# Allegro board pc051b_toplevel_177.brd (continued)
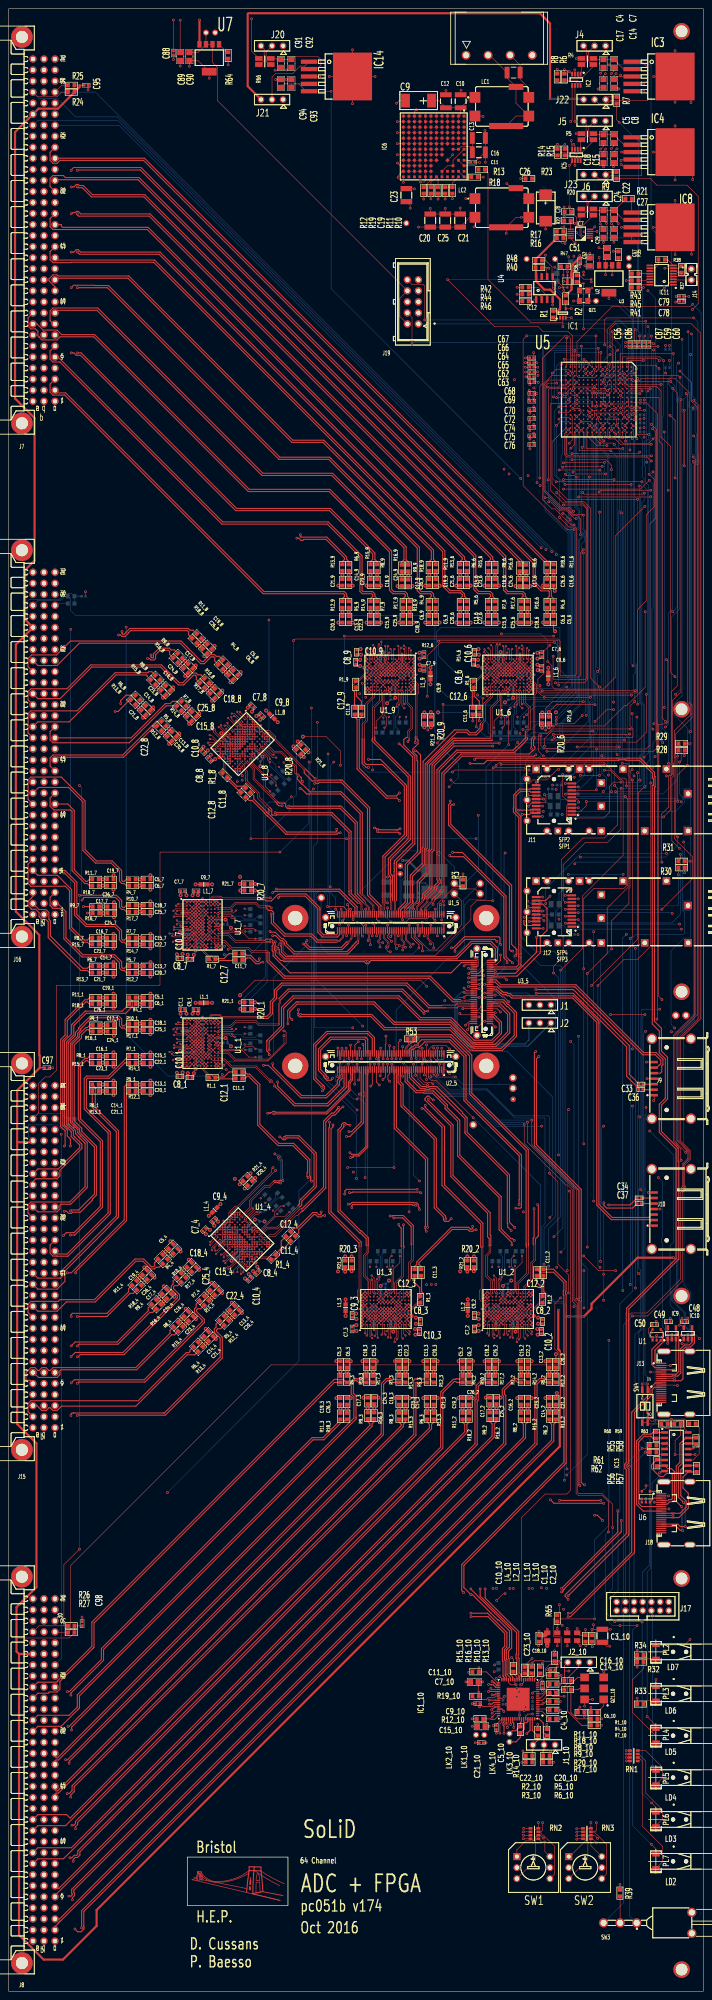
[diagram p0: board, top side]
## Routing (per net, layer and track width the routed paths; a pad name or vN(x,y) marks a point on that pad's centre or on a via; arc(x,y) is an arc through that point) (continued)
GPIO<1>: length 217.2
  TOP w0.13: v1(139.95,360.27) 139.95,361.85 139.55,362.25 138.3,362.25 138,361.95 138,360.94 U5.F14 ; v1(124.17,305.96) 125.14,304.98 125.14,300.29 125.81,299.62 136.97,299.62 139.7,302.35 139.7,334.85 v1(146.55,341.7)
  L4 w0.13: v1(113.49,312.36) 25.74,312.36 25.5,312.59 6.9,312.59 J16.A26 ; v1(139.95,360.27) 140.42,359.8 142.91,359.8 146.35,356.36 146.35,345.5 146.9,344.96 146.9,342.05 v1(146.55,341.7)
  BOTTOM w0.13: v1(113.49,312.36) 122.57,312.36 124.17,310.76 v1(124.17,305.96)
GPIO<2>: length 316.5
  TOP w0.13: U5.G14 136.9,360.25 v1(136.85,360.25) ; v1(132.46,235.29) 132.46,251.44 134.77,253.75 141.7,253.75 142.35,254.4 142.5,254.4 142.6,254.5 142.6,274.35 v1(142.02,274.92)
  L4 w0.13: J15.A26 6.67,194.25 10.86,194.25 11.61,195 v1(132.46,195)
  BOTTOM w0.13: v1(132.46,235.29) v1(132.46,195) ; v1(142.02,274.92) 131.03,274.92 130.69,275.27 130.69,275.77 134.75,279.83 134.75,288.99 135.6,289.84 135.6,302.73 136.21,303.34 136.21,303.96 135.44,304.72 135.44,357.76 135.97,358.28 135.97,359.36 v1(136.85,360.25)
GPIO<3>: length 377.9
  TOP w0.13: v1(135.85,362.2) 135.85,361.3 U5.H14 ; v1(126.64,281.14) 126.34,281.14 125.17,279.97 125.17,279.97 124.56,279.36 124.56,279.36 123.95,278.75 120.7,278.75 119.83,277.88 102.72,277.88 v1(101.85,278.75)
  L4 w0.13: v1(36.55,114.75) 20.95,99.15 20.95,83.65 13.46,76.16 6.67,76.16 J8.A26 ; v1(70.2,276.66) 99.77,276.66 v1(101.85,278.75)
  BOTTOM w0.13: v1(70.2,276.66) 69.8,276.26 69.8,187.14 66.87,184.21 66.87,145.07 v1(36.55,114.75) ; v1(135.85,362.2) 135.4,361.75 135.4,358.87 134.73,358.2 134.73,297.63 133.79,296.69 133.79,288.29 v1(126.64,281.14)
GPIO<4>: length 302.2
  TOP w0.13: U5.B8 142.8,366.35 142.8,364.75 143.3,364.25 v1(144.1,364.25)
  TOP w0.15: v1(152.3,362.65) 153.5,361.45 v1(153.5,348.21)
  L3 w0.15: v1(153.5,348.21) 153.35,348.36 134.39,348.36 133.93,347.89 128.47,347.89 128.01,348.36 123.22,348.36 122.56,347.69 120.71,347.69 v1(119.65,348.75)
  L4 w0.13: v1(122.65,332.15) 122.65,332.13 123.54,331.24
  L4 w0.15: 123.54,331.24 126.7,328.08 126.7,303.25 127.6,302.35 128.95,302.35 129.65,303.05 129.65,334.55 117.2,347 117.2,348.7 117.25,348.75 v1(119.65,348.75) ; v1(152.3,362.65) 145.7,362.65 v1(144.1,364.25)
  BOTTOM w0.13: J7.C26 25.42,429.38 v1(122.65,332.15)
GPIO<5>: length 218
  TOP w0.13: v1(122.4,300.47) 122.4,298.96 122.6,298.76 144.64,298.76 144.84,298.96 144.84,317.95 146.85,319.96 146.85,339.75 148.66,341.56 148.66,347.94 v1(147.51,349.08) ; U5.F15 138,359.35 138,357.41 138.2,357.21 139.68,357.21 140.95,355.94 147.98,355.94 v1(148.01,355.97)
  L4 w0.13: v1(122.4,300.47) 122.45,300.52 122.45,309.4 120.57,311.28 J16.C26 ; v1(148.01,355.97) 147.51,355.48 v1(147.51,349.08)
GPIO<6>: length 298.8
  TOP w0.13: v1(139.5,355.95) 139.2,356.25 136.89,356.25 135.99,357.16 135.99,359.34 U5.H15 ; v1(125.5,234.32) 125.5,235.85 127.7,238.05 127.7,242.71 127.31,243.1 127.31,260.41 132.27,265.38 137.23,265.38 140.28,268.42 140.28,276.75 v1(139.57,277.46)
  L4 w0.13: v1(126.64,192.45) 125.2,193.9 11.39,193.9 J15.C26
  BOTTOM w0.13: v1(125.5,234.32) 126.64,233.18 v1(126.64,192.45) ; v1(139.5,355.95) 139.5,355.8 140.65,354.66 140.65,340.77 140.4,340.53 140.4,339.9 140.5,339.8 140.5,286.88 140.17,286.54 140.17,286.13 140.8,285.5 140.8,284.25 139.57,283.02 v1(139.57,277.46)
GPIO<7>: length 464.4
  TOP w0.13: v1(140.95,364.3) 141.95,364.3 U5.B10
  L4 w0.13: v1(153.4,221.65) 153.52,221.65 153.65,221.52 153.65,202 148.85,197.2 v1(12.1,197.2) ; v1(140.95,367.23) 142.53,365.65 156.21,365.65 v1(157.61,364.26)
  BOTTOM w0.13: v1(12.1,197.2) 12.1,76.51 J8.C26 ; v1(153.4,221.65) 152.56,222.49 152.56,239.38 155.53,242.35 156.92,242.35 157.05,242.48 157.05,248.6 156.92,248.73 155.53,248.73 155.4,248.86 155.4,250.8 155.53,250.93 156.92,250.93 157.05,251.06 157.05,259.45 157.45,259.84 157.45,260.26 157.05,260.65 157.05,265.77 156.92,265.9 155.53,265.9 155.4,266.03 155.4,267.97 155.53,268.1 156.92,268.1 157.05,268.23 157.05,274.35 156.92,274.48 155.53,274.48 155.4,274.61 155.4,276.55 155.53,276.68 156.92,276.68 157.05,276.81 157.05,286.65 157.3,286.89 157.3,287.31 157.05,287.55 157.05,289.15 156.55,289.64 156.55,290.06 157.05,290.55 157.05,294.04 157.13,294.12 157.13,295.88 157.05,295.96 157.05,357.58 157.04,357.59 157.04,358.21 157.05,358.22 157.05,363.7 v1(157.61,364.26) ; v1(140.95,364.3) v1(140.95,367.23)
HDMI_PGOOD: length 312.6
  TOP w0.13: 156.5,124.78 157.5,124.78 v1(157.73,125.02) ; v1(140.9,368.25) U5.C7 ; v1(157.8,385.05) 137.69,385.05 137.3,384.67 v1(137.3,378.86)
  L4 w0.13: v1(157.73,125.02) 156.15,126.6 156.15,131.69 156.02,131.82 155.92,131.82 155.15,132.59 155.15,149 v1(155.1,149.05)
  BOTTOM w0.13: v1(140.9,368.25) 139.81,369.34 137.15,369.34 136.45,370.04 136.45,370.46 137.25,371.26 138.36,371.26 139,371.9 139,377.17 v1(137.3,378.86) ; v1(157.8,385.05) 158.74,384.11 158.74,353.76 158.92,353.58 158.92,353.17 158.92,352.59 158.97,352.5 158.97,351.52 158.74,351.29 158.74,223.54 154.15,218.95 154.15,162.16 152.87,160.88 152.87,159.12 155.9,156.08 155.9,153.03 157.36,151.57 157.36,150.16 156.3,149.1 155.15,149.1 v1(155.1,149.05)
HDMI_PGOOD_N: length 30.6
  TOP w0.25: v1(155.25,106) 155.15,106.1 154.65,106.1 153.75,107 J18.16 ; R58.1 158.22,127.33 IC13.15 156,127.33 155.26,126.59 155.17,126.59 154.6,126.02 154.6,121.7 153.75,120.85 153.75,113.49 153.8,113.44 153.8,112.7 v1(155,111.5)
  BOTTOM w0.25: v1(155,111.5) 155.1,111.4 155.1,106.15 v1(155.25,106)
HDMI_PGOOD_P: length 29
  TOP w0.25: J18.15 154.15,107.5 154.7,106.95 v1(155.85,106.95) ; v1(155.45,112.5) 154.25,113.7 154.25,120.6 155.1,121.45 155.1,125.81 155.34,126.06 IC13.14 158.15,126.06 R58.2
  BOTTOM w0.25: v1(155.45,112.5) 155.85,112.1 v1(155.85,106.95)
HDMI_TCK_N: length 14.8
  TOP w0.25: J18.6 150.42,112.11 151.74,112.11 152.28,112.65 153.1,112.65 153.35,112.9 153.35,119.57 152.66,120.26 151.82,120.26 IC13.7 149.43,120.97 R56.1
HDMI_TCK_P: length 18.7
  TOP w0.25: IC13.6 149.41,122.25 R56.2 148.08,121.13 148.08,120.32 149.97,118.43 150.78,118.43 151.5,119.15 152.65,119.15 152.85,118.95 152.85,113.35 152.65,113.15 152.08,113.15 151.82,112.89 150.56,112.89 150.46,113 J18.4
HDMI_TDI_N: length 18.7
  TOP w0.25: J18.12 152.71,109 152.77,108.94 153.23,108.94 153.29,109 154.35,109 156.55,111.2 156.55,114.6 155.31,115.83 155.31,118.32 156.5,119.51 156.5,119.7 156.71,119.5 R57.1
HDMI_TDI_P: length 19.5
  TOP w0.25: J18.10 152.71,110 152.77,110.06 153.23,110.06 153.29,110 154.64,110 156.05,111.41 156.05,112.8 154.81,114.03 154.81,120.02 155.77,120.97 IC13.10 156.53,121 R57.2
HDMI_TDO_N: length 3
  TOP w0.25: J18.3 148.64,113.5 U6.3
HDMI_TDO_P: length 2.8
  TOP w0.25: J18.1 149.92,114.5 149.38,115.04 U6.4
HDMI_TMS_N: length 28.3
  TOP w0.25: IC13.1 149.25,128.59 R55.1 148.47,128.7 147.97,128.2 146.18,128.2 144.63,126.65 144.63,126.15 144.58,126.1 144.58,124.4 144.63,124.35 144.63,112.02 146.15,110.5 J18.9
HDMI_TMS_P: length 26.5
  TOP w0.25: J18.7 150.26,111.55 145.81,111.55 145.13,112.22 145.13,124.56 145.08,124.61 145.08,125.89 145.13,125.94 145.13,126.44 146.39,127.7 147.97,127.7 148.47,127.2 R55.2 149.28,127.33 IC13.2
I2C_SCL_FROM_FPGA: length 204
  TOP w0.13: v1(149.31,223.68) 149.46,223.84 149.46,362.94 146.75,365.65 143.5,365.65 U5.A9 ; U2_5.18 v1(96.25,217.79)
  L4 w0.13: v1(96.25,217.79) 141.29,217.79 147.18,223.68 v1(149.31,223.68)
I2C_SDA_FROM_FPGA: length 223.7
  TOP w0.13: v1(101.55,216.84) 100.79,217.6 97.64,217.6 96.75,216.7 U2_5.16 ; U5.A7 145.26,367.75 v1(145.4,367.61) ; v1(154.47,263.02) 152.75,264.75 152.75,279.26 153.12,279.63 153.12,282.62 152.87,282.87 152.87,296.99 154.85,298.97 v1(154.85,366.25)
  L4 w0.13: v1(145.4,367.61) 146.65,367.61 148.01,366.25 v1(154.85,366.25) ; v1(101.55,216.84) v1(143.68,216.84)
  BOTTOM w0.13: v1(143.68,216.84) 143.68,242.4 144.41,243.13 155.38,243.13 155.65,243.39 155.65,248.22 155.2,248.67 155.2,248.7 155.14,248.75 155.14,250.91 155.2,250.96 155.2,262.3 v1(154.47,263.02)
I2C_SDA_TO_FPGA: length 173.2
  TOP w0.13: U1_5.88 v1(78.75,248.98) ; v1(151.33,292.17) 150.52,292.97 150.52,355.96 149.82,356.66 149.82,366.54 149.62,366.75 U5.A8
  L4 w0.13: v1(151.33,292.17) 138.42,292.17 126.22,279.97 125.17,279.97 124.56,279.36 124.56,279.36 121.71,276.51 119.53,276.51 114.31,271.29 101.06,271.29 v1(78.75,248.98)
IP_ADDRESS_SELECT<0>: length 251.1
  TOP w0.13: v1(134.1,38.85) RN3.8 133.46,37.5 132.94,36.99 132.94,34.72 129.22,31 SW2.1 ; U2_5.14 v1(97.25,214.15)
  L4 w0.13: v1(134.1,38.85) 129.85,43.1 106.3,43.1 99.85,49.55 99.85,91.45 v1(128.6,120.2)
  BOTTOM w0.13: v1(128.6,120.2) 128.45,120.35 128.45,157.95 127.7,158.7 125.82,158.7 122.82,161.7 122.82,175.9 123.52,176.6 123.52,200.9 123.47,200.95 116.55,200.95 110.1,207.4 101.51,207.4 97.25,211.66 v1(97.25,214.15)
IP_ADDRESS_SELECT<1>: length 338.2
  TOP w0.13: v1(135.35,38.8) 135.35,37 135.05,36.7 RN3.7 134.15,36.65 134.9,36.65 137.75,33.8 137.75,27.05 SW2.2
  TOP w0.18: v1(73.45,249.6) 77.1,249.6 77.75,248.95 U1_5.92
  L4 w0.13: v1(128.55,118.8) 127.95,118.8 100.4,91.25 100.4,50 106.8,43.6 130.55,43.6 v1(135.35,38.8) ; v1(131.25,219.75) 123.05,219.75 122.2,218.9 105.6,218.9 102.4,222.1 v1(81.55,222.1)
  BOTTOM w0.13: v1(131.25,219.75) 131.25,168.3 133.25,166.3 133.25,123.5 v1(128.55,118.8) ; v1(81.55,222.1) 70.8,232.85 70.8,252.45 71.4,253.05 72.55,253.05 73.45,252.15 v1(73.45,249.6)
IP_ADDRESS_SELECT<2>: length 246.4
  TOP w0.13: U2_5.15 96.75,210.18 97.35,209.58 98.42,209.58 v1(107,201) ; SW2.4 133.41,30.33 133.41,35.77 133.54,35.9 RN3.6 134.95,35.9 v1(135.65,35.2)
  L4 w0.13: v1(128,117.6) 127.55,117.6 101.05,91.1 101.05,50 106.7,44.35 131.35,44.35 136.3,39.4 136.3,35.85 v1(135.65,35.2)
  BOTTOM w0.13: v1(128,117.6) 128,157.75 127.4,158.35 125.8,158.35 122.45,161.7 122.45,185.55 v1(107,201)
IP_ADDRESS_SELECT<3>: length 266.5
  TOP w0.13: v1(96.45,208.6) 95.55,208.6 94.25,209.9 U2_5.25 ; v1(135.4,34.15) 134.45,35.1 RN3.5 134.1,33.52 SW2.8
  L4 w0.13: v1(122.75,199.07) v1(137.03,199.07) ; v1(135.4,34.15) 136.95,35.7 136.95,39.8 131.7,45.05 107.15,45.05 101.56,50.64 101.56,90.81 127.35,116.6 128.1,116.6 137.03,125.53 v1(137.03,159)
  BOTTOM w0.13: v1(137.03,199.07) 136.6,198.65 136.6,181.24 137.03,180.82 v1(137.03,164.97) v1(137.03,159) ; v1(122.75,199.07) 122.63,198.95 112.4,198.95 105.45,205.9 99.15,205.9 v1(96.45,208.6)
IP_ADDRESS_SELECT<4>: length 244.4
  TOP w0.13: v1(122,38.85) RN2.8 121.6,37.5 121.1,37 121.1,34.97 120.73,34.61 119.11,34.61 117.05,32.55 SW1.1 ; v1(98.6,214.1) 97.75,214.95 U2_5.12 ; v1(128.9,160.7) 128.9,164.9 126.5,167.3 126.5,186.3 v1(124.55,188.25)
  L4 w0.13: v1(122,38.85) 105.85,38.85 96.55,48.15 96.55,91.05 128.45,122.95 128.45,160.25 v1(128.9,160.7)
  BOTTOM w0.13: v1(124.55,188.25) 124.55,201.17 124.27,201.45 116.42,201.45 110.21,207.66 104.44,207.66 102.35,209.75 102.35,212.55 102.49,212.69 102.49,213.51 101.91,214.09 101.86,214.09 101.85,214.1 v1(98.6,214.1)
IP_ADDRESS_SELECT<5>: length 333.3
  TOP w0.13: SW1.2 125.7,26.95 125.7,33.41 123.36,35.75 123.18,35.75 122.6,36.32 122.6,36.7 ; 122.6,36.7 RN2.7 ; 122.6,36.7 123,37.1 v1(123,38.8)
  TOP w0.18: U1_5.94 77.25,246.65 v1(76.9,246.3)
  L4 w0.13: v1(129.45,218.55) 104.65,218.55 102.65,220.55 80.4,220.55 v1(79.25,221.7) ; v1(130.2,157.55) 130.2,124.1 97.6,91.5 97.6,48.55 106,40.15 121.65,40.15 v1(123,38.8)
  BOTTOM w0.13: v1(129.45,218.55) 130.2,217.8 v1(130.2,157.55) ; v1(79.25,221.7) 70.63,221.7 70.5,221.83 70.5,252.65 71.48,253.63 72.87,253.63 73.95,252.55 73.95,249.25 v1(76.9,246.3)
IP_ADDRESS_SELECT<6>: length 246
  TOP w0.13: U2_5.13 v1(97.25,210.45) ; v1(123.15,35.25) 122.5,35.9 RN2.6 121.78,35.9 121.36,35.48 121.36,30.23 SW1.4 ; v1(130.85,159.25) 130.85,184.38 120.5,194.73 v1(120.5,200.45)
  L4 w0.13: v1(130.85,159.25) 130.85,123.9 98.3,91.35 98.3,48.85 106,41.15 122.05,41.15 124.05,39.15 124.05,36.15 v1(123.15,35.25)
  BOTTOM w0.13: v1(97.25,210.45) 97.8,210.45 101.3,206.95 106.37,206.95 112.85,200.47 120.48,200.47 v1(120.5,200.45)
IP_ADDRESS_SELECT<7>: length 256.9
  TOP w0.13: SW1.8 123.5,32.17 v1(123.5,34.35) 122.75,34.35 RN2.5 ; U2_5.27 v1(93.75,210.75)
  L4 w0.13: v1(128.95,202.9) 128.45,202.4 94.95,202.4 93.75,203.6 v1(93.75,210.75) ; v1(128.65,165.85) v1(132.5,165.85) ; v1(123.5,34.35) 124.8,35.65 124.8,39.35 121.95,42.2 106.15,42.2 99,49.35 99,91.15 128.1,120.25 128.1,120.41 131.8,124.1 131.8,156.55 v1(132.5,157.25)
  BOTTOM w0.13: v1(128.65,165.85) 128.65,202.6 v1(128.95,202.9) ; v1(132.5,165.85) v1(132.5,157.25)
JTAGEN: length 218.6
  TOP w0.13: v1(154.1,265.6) 153.6,266.1 153.6,273.99 153.71,274.09 153.71,283.89 153.6,283.99 153.6,289.28 157.39,293.07 157.39,295.99 156.75,296.63 156.75,367.85 153.5,371.1 145.76,371.1 145.28,370.61 144.2,370.61 143.67,371.15 142.8,371.15 U5.B4
  TOP w0.18: U1_5.90 78.25,248.74 78.23,248.77 78.23,249.82 v1(78,250.05)
  TOP w0.25: LK4.1 103.25,254.3 R3.1
  L4 w0.13: LK4.1 102.65,257.05 106.58,260.98 v1(131.67,260.98)
  BOTTOM w0.13: v1(154.1,265.6) 154.1,263.75 151.33,260.98 v1(131.67,260.98) ; v1(78,250.05) 90.35,262.4 98.95,262.4 102.65,258.7 LK4.1
MGT_CLK_N: length 38.5
  TOP w0.18: v1(104.9,229.9) 105.1,229.7 U3_5.32
  BOTTOM w0.25: J2.1 119.6,217.5 105.8,217.5 102.8,220.5 102.8,228.45 104.25,229.9 v1(104.9,229.9)
MGT_CLK_P: length 33.6
  TOP w0.18: v1(104.9,228.7) 105.4,229.2 U3_5.34
  BOTTOM w0.25: J2.3 119.82,218.92 118.9,218 106.1,218 103.3,220.8 103.3,228.24 103.76,228.7 v1(104.9,228.7)
MGT_RX_N<0>: length 52.3
  TOP w0.25: U3_5.7 111.09,235.7 111.15,235.63 111.59,235.63 111.66,235.71 116.94,235.71 117.5,236.27 117.5,238.06 117.51,238.07 117.51,238.53 117.5,238.54 117.5,270.11 116.26,271.35 116.26,272.23 116.35,272.32 116.35,275.3 117.66,276.61 120.14,276.61 120.25,276.73 J11.12
MGT_RX_N<1>: length 30.9
  TOP w0.25: U3_5.13 111.76,234.2 111.86,234.1 111.91,234.1 111.92,234.09 112.53,234.09 112.67,234.23 116.7,234.23 121.6,239.13 v1(121.6,242.55) ; v1(124.7,252) 123.68,250.98 J12.12
  L3 w0.25: v1(121.6,242.55) 122.05,242.55 124.7,245.2 v1(124.7,252)
MGT_RX_N<2>: length 52.3
  TOP w0.25: J9.5 150.13,211.27 150.42,211.56 150.42,212.91 150.7,213.2 150.7,214.42 149.13,216 146.26,216 130.66,231.6 113.4,231.6 112.26,232.74 110.89,232.74 U3_5.19
MGT_RX_N<3>: length 84.8
  TOP w0.25: J10.3 148.07,178.73 147.4,178.05 139,178.05 135.95,181.11 135.95,222.78 135.95,223.19 130.09,229.05 116.06,229.05 115.53,229.58 115.02,229.58 114.74,229.86 113.94,229.86 113.63,230.17 113.52,230.17 112.58,231.11 111.88,231.11 111.79,231.2 U3_5.25
MGT_RX_P<0>: length 52.3
  TOP w0.25: U3_5.9 110.88,235.2 110.95,235.13 111.8,235.13 111.87,235.21 117.15,235.21 118,236.06 118,237.86 118.01,237.86 118.01,238.74 118,238.74 118,270.31 116.76,271.56 116.76,272.02 116.85,272.11 116.85,275.09 117.87,276.11 120.07,276.11 120.25,275.93 J11.13
MGT_RX_P<1>: length 27.6
  TOP w0.25: J12.13 122.97,250.18 124,249.15 124,244.15 122.45,242.6 122.45,238.95 117.09,233.59 111.71,233.59 111.71,233.6 111.65,233.6 111.56,233.7 U3_5.15
MGT_RX_P<2>: length 49.9
  TOP w0.25: U3_5.21 110.64,232.2 111.06,232.2 111.1,232.24 112.05,232.24 113.19,231.1 130.45,231.1 146.05,215.5 148.92,215.5 150.2,214.22 150.2,213.4 149.92,213.12 149.82,213.12 149.24,212.54 J9.6
MGT_RX_P<3>: length 84.5
  TOP w0.25: U3_5.27 111.58,230.7 111.68,230.61 112.38,230.61 113.31,229.67 113.42,229.67 113.74,229.36 114.53,229.36 114.81,229.08 115.32,229.08 115.85,228.55 129.88,228.55 135.45,222.98 135.45,180.9 138.8,177.55 148.38,177.55 148.47,177.46 J10.2
MGT_TX_N<0>: length 51
  TOP w0.18: U3_5.8 107.28,235.83 107.99,235.83 108.12,235.96 108.12,237.44 107.99,237.57 107.59,237.57 107.41,237.75 v1(107.41,237.92)
  TOP w0.25: J11.19 120.25,271.13 119.92,270.8 v1(118.3,270.8)
  L3 w0.25: v1(118.3,270.8) 117.87,271.23 117.55,271.23 117.54,271.23 117.08,271.23 117.08,271.23 110.79,271.23 107.1,267.54 107.1,251.39 105.45,249.74 105.45,248.18 105.49,248.14 105.49,246.06 105.45,246.02 105.45,240.16 107.16,238.44 107.16,238.17 v1(107.41,237.92)
MGT_TX_N<1>: length 24.2
  TOP w0.25: v1(118.75,246.2) 118.7,246.15 118.7,245.5 118.95,245.25 121.37,245.25 J12.19 ; U3_5.14 108.2,234.2 108.9,234.9 v1(109.25,234.9)
  L3 w0.25: v1(118.75,246.2) 118.45,246.5 115.1,246.5 111.96,243.36 111.81,243.36 110.85,242.39 110.85,238.94 110.9,238.89 110.9,238.01 108.95,236.06 108.95,235.28 109.25,234.98 v1(109.25,234.9)
MGT_TX_N<2>: length 52
  TOP w0.18: v1(109.1,232.85) 108.55,232.85 108.4,232.7 U3_5.20
  TOP w0.25: C33.2 142.95,211 142.95,217.61 130.06,230.5 v1(121.4,230.5)
  L3 w0.13: v1(109.1,232.85) 112.1,232.85 113.61,231.34 113.8,231.34 113.86,231.4 113.88,231.4
  L3 w0.25: v1(121.4,230.5) 120.75,230.5 119.85,231.4 113.88,231.4
MGT_TX_N<3>: length 84.6
  TOP w0.18: U3_5.26 v1(105.92,231.2)
  TOP w0.25: v1(137.1,181.45) 137.1,180.85 137.73,180.22 143.72,180.22 C37.2
  L3 w0.13: v1(105.92,231.2) 112.35,231.2 113.47,230.07 114.27,230.07
  L3 w0.25: v1(137.1,181.45) 136.93,181.28 133.12,181.28 130.7,183.7 130.7,219.51 130.69,219.52 130.69,219.98 130.7,219.99 130.7,222.01 127.71,225 119.35,225 114.27,230.07
MGT_TX_P<0>: length 52.5
  TOP w0.18: U3_5.10 106.16,235.2 v1(105.93,235.43)
  TOP w0.25: J11.18 120.25,271.93 120.11,271.79 v1(117.31,271.79)
  L3 w0.25: v1(105.93,235.43) 106.09,235.33 106.54,235.33 106.66,235.51 106.66,238.24 104.95,239.95 104.95,246.23 104.99,246.27 104.99,247.93 104.95,247.97 104.95,249.95 106.6,251.6 106.6,267.75 110.58,271.73 117.26,271.73 v1(117.31,271.79)
MGT_TX_P<1>: length 23.7
  TOP w0.25: v1(109.45,233.75) 108.44,233.75 108.39,233.7 U3_5.16 ; v1(119.9,246.18) J12.18
  L3 w0.25: v1(119.9,246.18) 119.32,245.6 114.91,245.6 112.16,242.86 112.02,242.86 111.69,242.53 111.69,242.07 111.7,242.06 111.7,238.8 111.4,238.5 111.4,237.81 109.45,235.85 109.45,235.49 109.81,235.13 109.81,234.67 109.45,234.31 v1(109.45,233.75)
MGT_TX_P<2>: length 54.8
  TOP w0.18: U3_5.22 v1(105.92,232.2)
  TOP w0.25: v1(121.5,229.65) 130.03,229.65 131.8,227.88 142.35,217.33 142.35,210.55 145.15,207.75 C36.2
  L3 w0.13: v1(105.92,232.2) 109.55,232.2 109.57,232.22 111.84,232.22 113.41,230.65 113.88,230.65
  L3 w0.25: 113.88,230.65 119.75,230.65 120.75,229.65 v1(121.5,229.65)
MGT_TX_P<3>: length 81.6
  TOP w0.18: U3_5.28 v1(108.38,230.7)
  TOP w0.25: v1(138.2,180.95) 143.15,180.95 C34.2
  L3 w0.13: v1(108.38,230.7) 111.96,230.7 113.21,229.44 114.2,229.44 114.35,229.3 114.51,229.3 114.8,229.01 114.8,228.85 119.19,224.45
  L3 w0.25: 119.19,224.45 127.55,224.45 130.2,221.8 130.2,220.19 130.19,220.19 130.19,219.31 130.2,219.31 130.2,183.49 132.92,180.78 138.03,180.78 v1(138.2,180.95)
MODE: length 39.8
  TOP w0.18: U1_5.31 92.75,242.55 94.5,240.8 v1(94.5,240.1)
  BOTTOM w0.13: v1(94.5,240.1) 93.1,238.7 73.75,238.7 71.95,240.5 71.95,251.6 LK5.1
NOSEQ: length 14.1
  TOP w0.13: LK6.1 107.49,253.66 102.21,253.66 98.75,250.2 U1_5.8
OUT_N<0>: length 87.1
  TOP w0.13: v1(97.9,240.1) 97.9,241.07 96.63,242.34 96.63,243.07 96.75,243.19 U1_5.15 ; U1_6.E7 v2(116.6,301.35)
  L3 w0.13: v2(116.6,301.35) 117.84,300.11 117.84,299.45 118.8,298.49 118.8,297.75 121.9,294.65 121.9,288.65
  L3 w0.25: 121.9,288.65 121.96,288.59 121.96,287.75 122.6,287.11 122.6,283.74 122.06,283.2 119.41,283.2 115.36,279.15 107.75,279.15 106.2,277.6 106.2,251.73 104.57,250.1 104.57,247.82 104.61,247.78 104.61,246.42 104.57,246.38 104.57,245.56 103.4,244.39 103.4,242.67 101.87,241.14 98.63,241.14 98.32,240.83 98.26,240.38 v1(97.9,240.1)
OUT_N<1>: length 75.8
  TOP w0.13: 97.53,251.03 95.87,249.37 95.87,248.83 95.75,248.71 U1_5.20 ; 121.2,288.65 121.2,298.31 121.58,298.69 121.58,298.93 121.6,298.95 121.6,300.7 120.94,301.36 120.37,301.36 120.36,301.36 120.26,301.36 120.25,301.35 119.8,301.35 U1_6.B8
  TOP w0.25: 121.2,288.65 121.2,288.32 120.9,288.02 120.9,286.64 121.2,286.34 121.2,285.9 120.81,285.51 120.71,285.51 120.65,285.45 120.64,285.45 119.89,284.7 104.21,284.7 99.76,280.25 99.76,253.61 99.14,252.99 99.14,252.81 98.22,251.89 98.14,251.89 97.53,251.29 97.53,251.03
OUT_N<2>: length 70.9
  TOP w0.13: U1_6.D10 118.1,299.05 118.1,296.35 v2(118.3,296.15)
  TOP w0.18: U1_5.21 v1(95.25,246)
  L3 w0.13: v2(118.3,296.15) 118.3,296.05 120.18,294.17 120.18,288.65 ; 96.42,250.7 96.37,250.7 96.34,250.73 96.2,250.73 96.08,250.61 95.99,250.61 95.96,250.57 95.96,250.49 95.86,250.39 95.86,247.99 95.01,247.14 95.01,246.4 95.25,246.16 v1(95.25,246)
  L3 w0.25: 120.18,288.65 120.3,288.53 120.3,287.41 120.3,286.99 113.63,280.32 113.34,280.03 107.39,280.03 105,277.64 105,259.36 104.71,259.07 104.22,259.07 96.88,251.73 96.88,251.15 96.42,250.7
OUT_N<3>: length 71.4
  TOP w0.13: U1_6.C9 119,299.75 119,296.6 120.18,295.42 120.18,290.59 119.38,289.79 119.38,288.39 ; U1_5.22 95.25,248.71 95.13,248.83 95.13,249.16 96.56,250.59 96.56,251.4 96.62,251.46 96.62,251.49
  TOP w0.25: 119.38,288.39 119.45,288.39 119.5,288.34 119.5,288.09 117.53,286.12 116.5,285.09 111.64,285.09 103.39,285.09 99.15,280.85 99.15,262.24 99.16,262.24 99.16,261.36 99.15,261.36 99.15,255.96 99.38,255.73 99.38,255 98.66,254.28 98.66,253.89 98.53,253.76 98.53,253.4 96.62,251.49
OUT_N<4>: length 66.6
  TOP w0.13: U1_6.J8 v2(113.4,300.55) ; U1_5.26 94.25,248.71 94.13,248.83 94.13,249.46 94.41,249.74 94.45,249.74 95.46,250.75 95.46,251.03 95.52,251.09
  TOP w0.25: v1(111.5,286.55) 102.6,286.55 98,281.95 98,262.64 97.49,262.13 97.49,253.97 97.28,253.76 97.28,253.67 97.28,253.61 97.16,253.49 95.85,252.18 95.85,251.6 95.79,251.54 95.79,251.36 95.52,251.09
  L3 w0.13: 112.4,288 112.4,299.55 v2(113.4,300.55)
  L3 w0.25: 112.4,288 112.4,287.47 111.99,287.06 111.99,287.04 v1(111.5,286.55)
OUT_N<5>: length 66
  TOP w0.13: 93.86,250.67 92.98,249.79 92.94,249.79 92.49,249.35 92.49,249.31 92.37,249.18 92.37,248.83 92.25,248.71 U1_5.34 ; U1_6.K9 112.6,299.75 112.6,297.09 110.99,295.47 110.99,288.33
  TOP w0.25: 93.86,250.67 94.1,250.91 94.1,255.31 94.26,255.47 94.26,255.51 96.11,257.36 96.11,262.7 96.4,262.99 96.4,282.36 102.37,288.33 102.78,288.33 110.99,288.33
OUT_N<6>: length 74.7
  TOP w0.13: U1_5.37 91.25,243.19 91.37,243.07 91.37,241.93 92.52,240.78 v1(92.52,240.32) ; U1_6.M7 v2(111.8,301.35)
  L3 w0.13: 94.12,250.2 94.06,250.14 94.06,249.29 94.24,249.1 94.24,248.51 93.14,247.41 93.14,244.01 91.66,242.53 91.66,241.64 92.52,240.78 v1(92.52,240.32) ; v2(111.8,301.35) 111.2,300.75 111.2,297.19 109.92,295.91 109.92,288.15
  L3 w0.25: 94.12,250.2 94.12,251.13 103.62,260.63 103.62,278.22 108.45,283.05 108.45,283.35 109.92,284.82 109.92,288.15
OUT_N<7>: length 65.2
  TOP w0.13: U1_6.L8 111.8,300.55 111.8,299.05 111.38,298.63 111.38,297.79 109.78,296.19 109.78,292.29 109.2,291.71 ; U1_5.36 91.75,248.71 91.63,248.83 91.63,248.98 91.72,249.07
  TOP w0.25: 109.2,291.71 109.2,291.32 109.08,291.2 109.08,290.48 107.7,289.1 106.04,289.1 105.42,289.72 103.23,289.72 95.95,282.44 95.95,263.07 95.74,262.86 95.74,259.29 93,256.55 93,250.35 91.72,249.07
OUT_N<8>: length 74.9
  TOP w0.13: v1(91.41,240.24) 90.96,240.24 90.87,240.33 90.87,240.52 91.26,240.91 91.26,241.41 90.63,242.04 90.63,243.07 90.75,243.19 U1_5.39 ; U1_9.E7 v2(89.45,301.35)
  L3 w0.13: v2(89.45,301.35) 90.69,300.11 90.69,299.45 91.65,298.49 91.65,297.75 94.75,294.65 94.75,288.65 ; v1(91.41,240.24) 90.96,240.24 90.83,240.37 90.83,241.43 91.4,242 91.4,245.5 92.5,246.6 92.5,249.6 93.5,250.6 93.5,251.1
  L3 w0.25: 94.75,288.65 94.81,288.59 94.81,287.99 95.1,287.7 95.1,284.5 89.21,278.61 89.21,260.63 89.46,260.39 89.46,259.51 89.21,259.27 89.21,255.39 93.5,251.1
OUT_N<9>: length 58.6
  TOP w0.13: 94.05,288.65 94.05,298.31 94.43,298.69 94.43,298.93 94.45,298.95 94.45,300.7 93.79,301.36 93.22,301.36 93.21,301.36 93.11,301.36 93.1,301.35 92.65,301.35 U1_9.B8
  TOP w0.25: U1_5.44 89.75,249.05 91.35,250.65 91.35,259.35 94.2,262.2 94.2,283.05 94.03,283.22 94.03,284.29 93.1,285.22 93.1,285.85 94.3,287.05 94.3,287.9 94.05,288.15 94.05,288.65
OUT_N<10>: length 69.9
  TOP w0.13: v1(90,240.6) 89.76,240.83 89.33,240.83 89.2,240.96 89.2,243.14 89.25,243.19 U1_5.45 ; v2(91.15,296.15) 90.95,296.35 90.95,299.05 U1_9.D10
  L3 w0.13: v1(90,240.6) 89.54,240.6 89.41,240.73 89.41,241.11 90.66,242.36 90.66,245.51 89.9,246.27 89.9,247.09 91.66,248.85 91.66,249.03 91.78,249.15 91.78,249.24 91.8,249.26 91.8,249.41 ; 92.02,284.97 92.02,285.02 91.98,285.05 91.98,285.59 92.02,285.62 92.02,285.84 91.96,285.9 91.96,286.09 92.91,287.04 92.91,288.24 93.03,288.36 93.03,294.17 91.15,296.05 v2(91.15,296.15)
  L3 w0.25: 91.8,249.41 91.15,250.06 91.15,252.21 88.2,255.16 88.2,255.86 88.31,255.96 88.31,256.84 88.2,256.94 88.2,259.36 87.84,259.72 87.84,260.18 88.2,260.54 88.2,281.15 92.02,284.97
OUT_N<11>: length 58.5
  TOP w0.13: 92.23,288.39 92.23,289.79 93.03,290.59 93.03,295.42 91.85,296.6 91.85,299.75 U1_9.C9 ; 88.85,251.06 88.85,250.81 88.87,250.79 88.87,248.83 88.75,248.71 U1_5.48
  TOP w0.25: 88.85,251.06 88.85,256.49 88.8,256.54 88.8,256.75 88.78,256.77 88.78,257.74 88.85,257.81 88.85,258.29 88.78,258.36 88.78,259.54 88.85,259.61 88.85,260.1 93.05,264.3 93.05,284.02 90.02,287.05 v1(89.9,287.05) ; 92.23,288.39 92.23,287.93 91.95,287.65 v1(91.95,287.55)
  L4 w0.25: v1(89.9,287.05) 89.95,287 91.3,287 91.85,287.55 v1(91.95,287.55)
OUT_N<12>: length 64
  TOP w0.13: U1_9.J8 v2(86.25,300.55)
  TOP w0.18: v1(88,242.7) 88.25,242.95 U1_5.49